# Altium PCB LaserControlBoard (extended).PcbDoc (part 1 of 4)
Units mm, origin at the board's own origin, x right, y up, seen from the top; angles counter-clockwise.
Board outline 192.5 x 156.5 mm, 2 copper layers (Top Layer, Bottom Layer); 385 components, 319 nets, 1286 pads, 1750 vias.
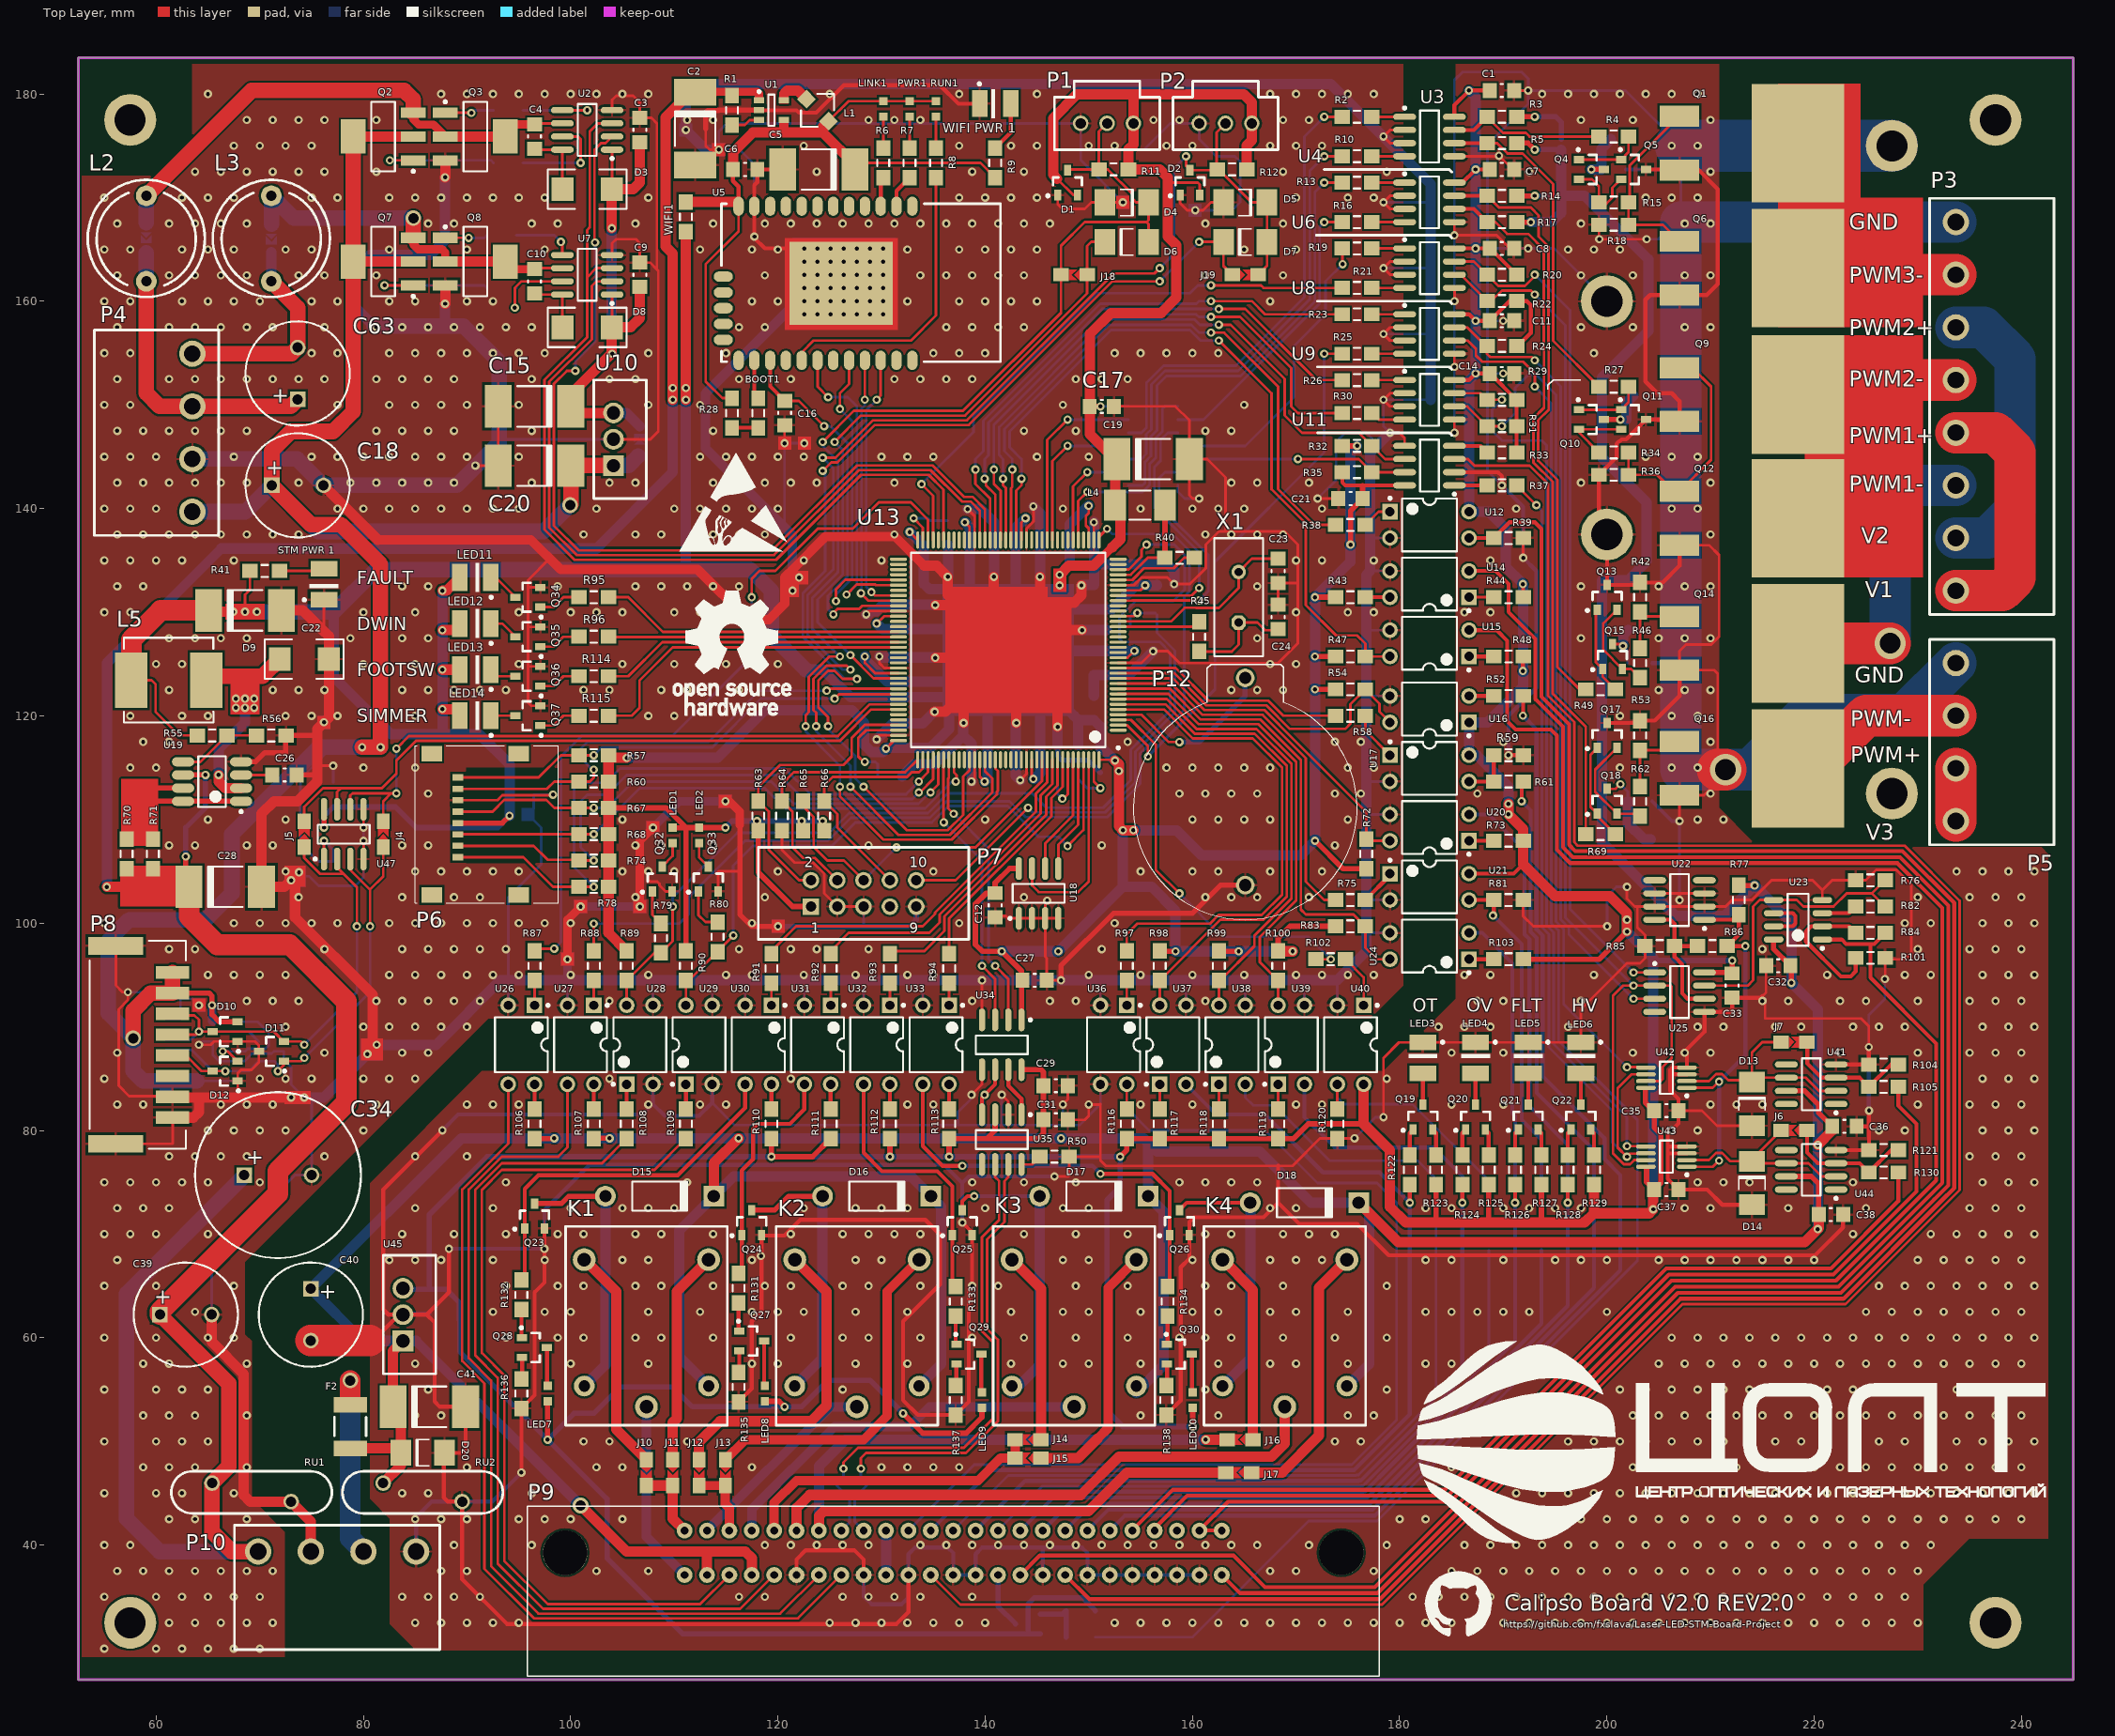
[diagram p0: Top Layer view]
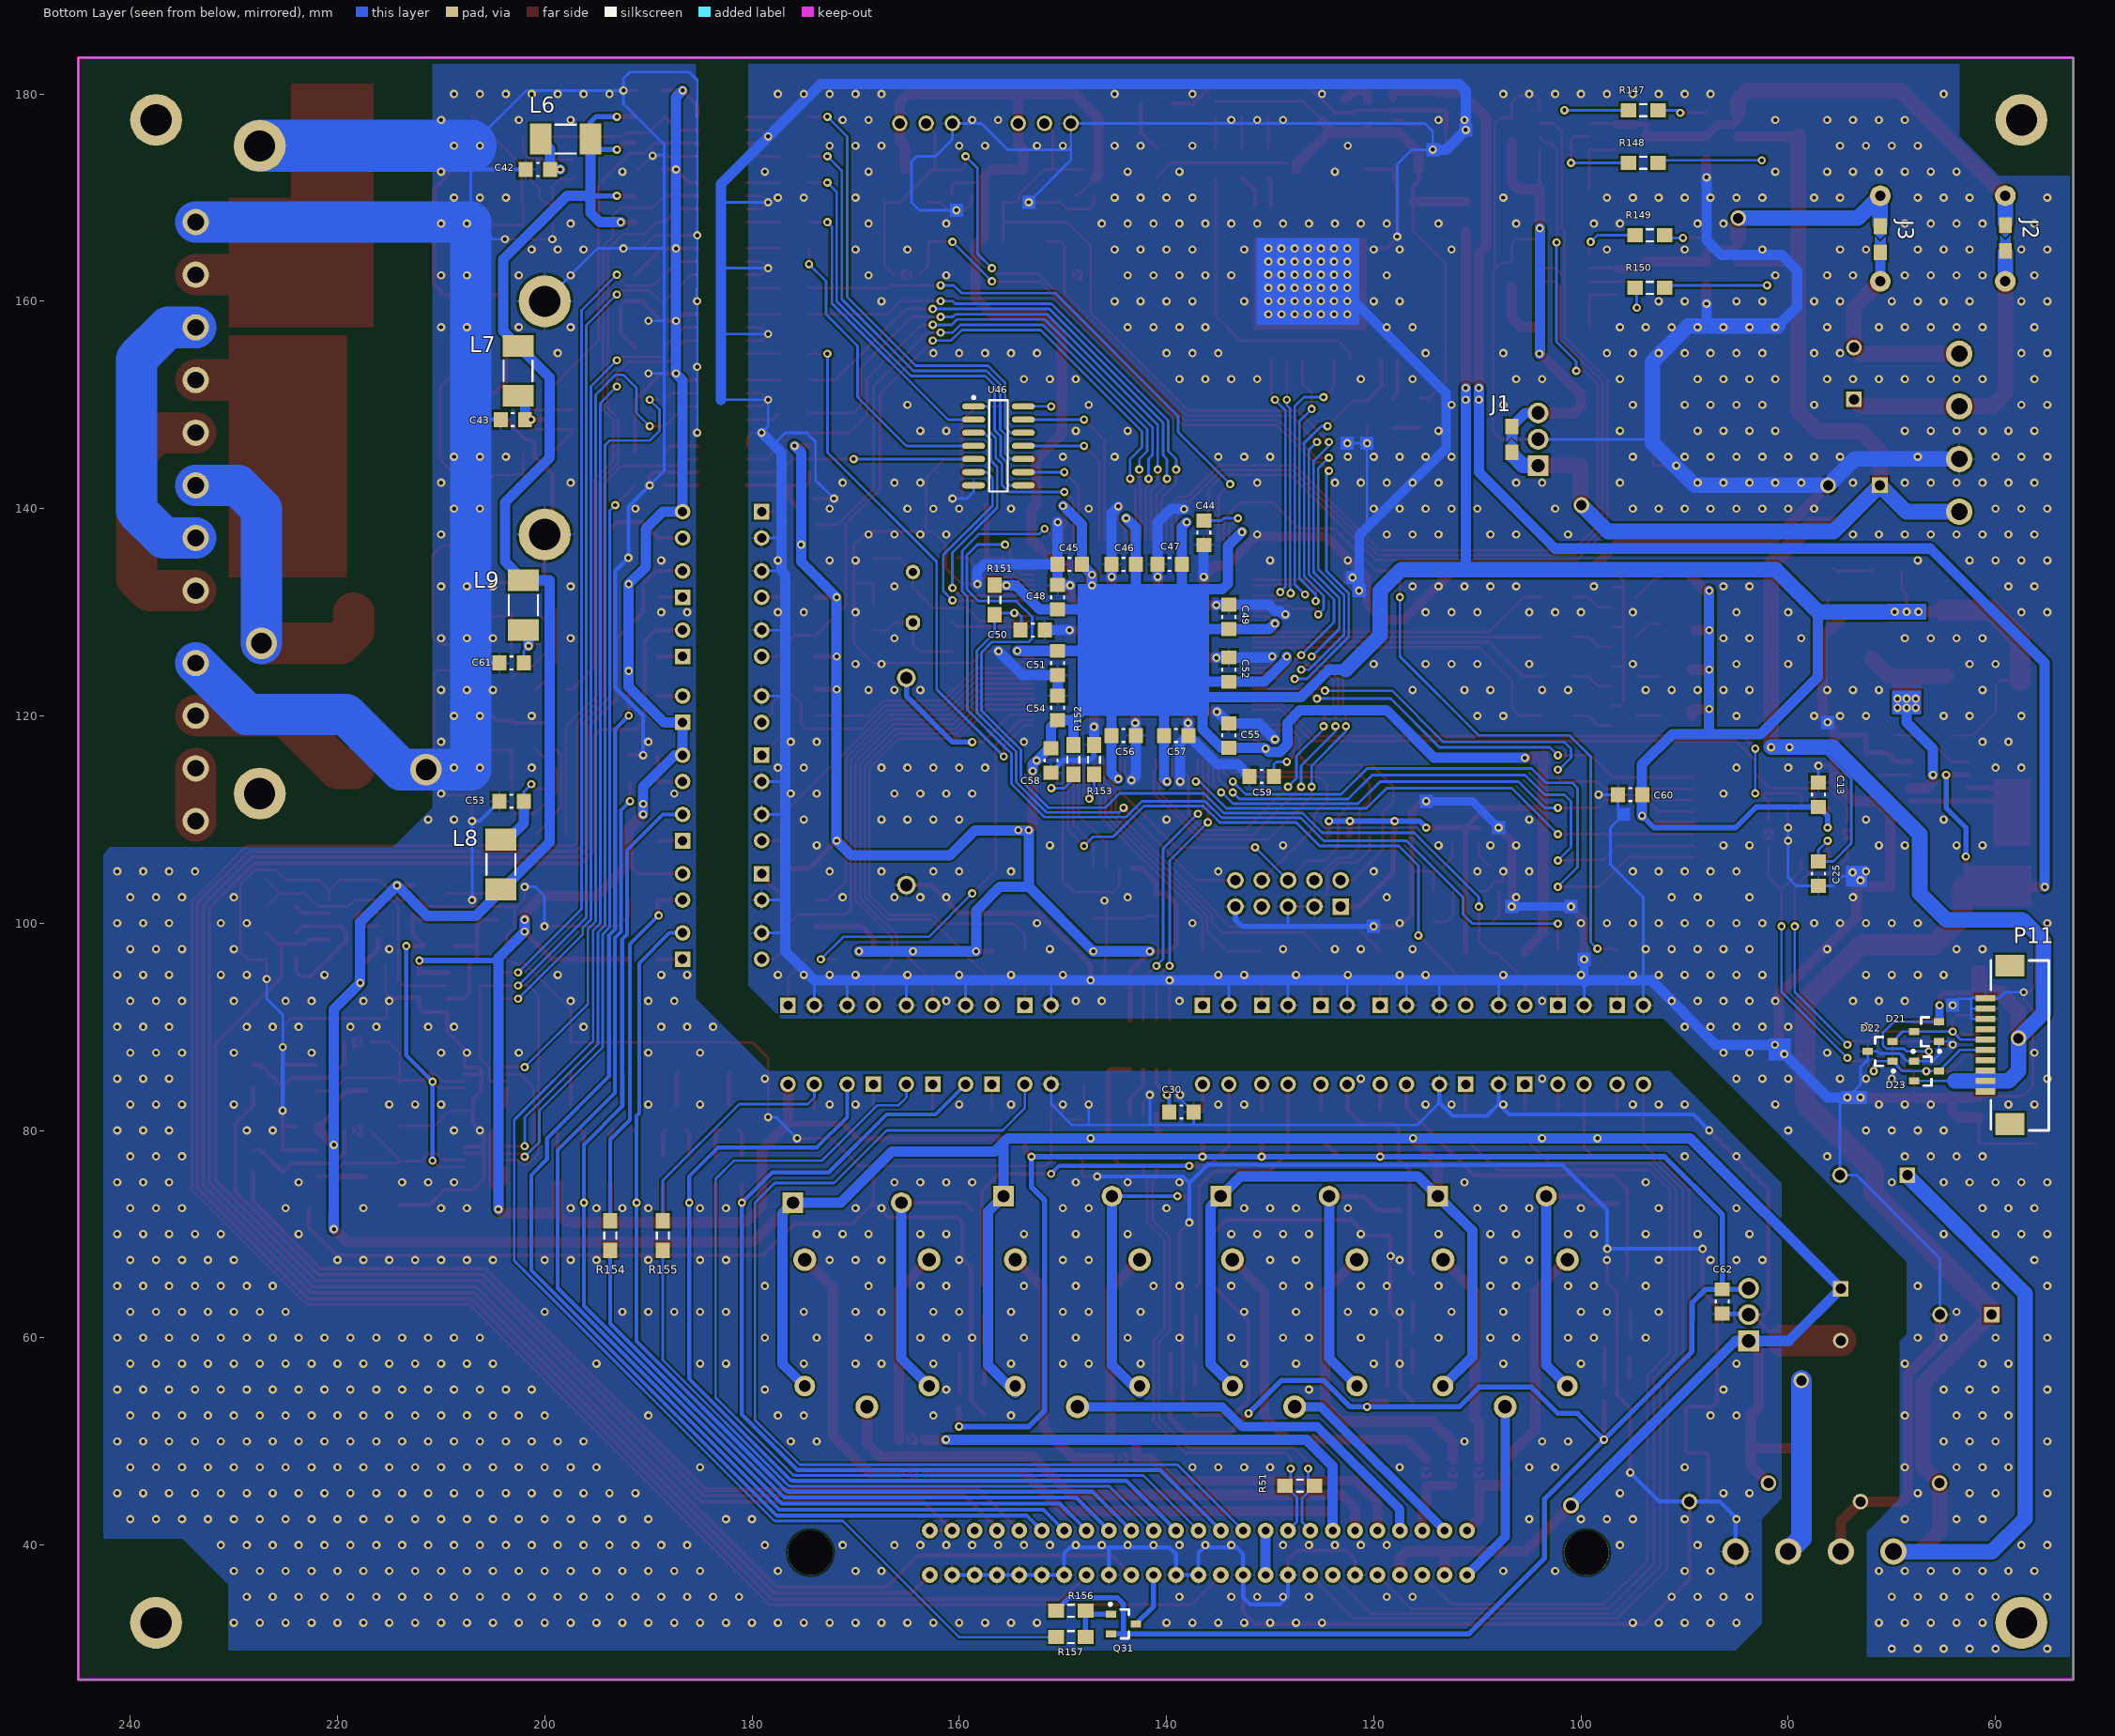
[diagram p1: Bottom Layer view, seen from below]
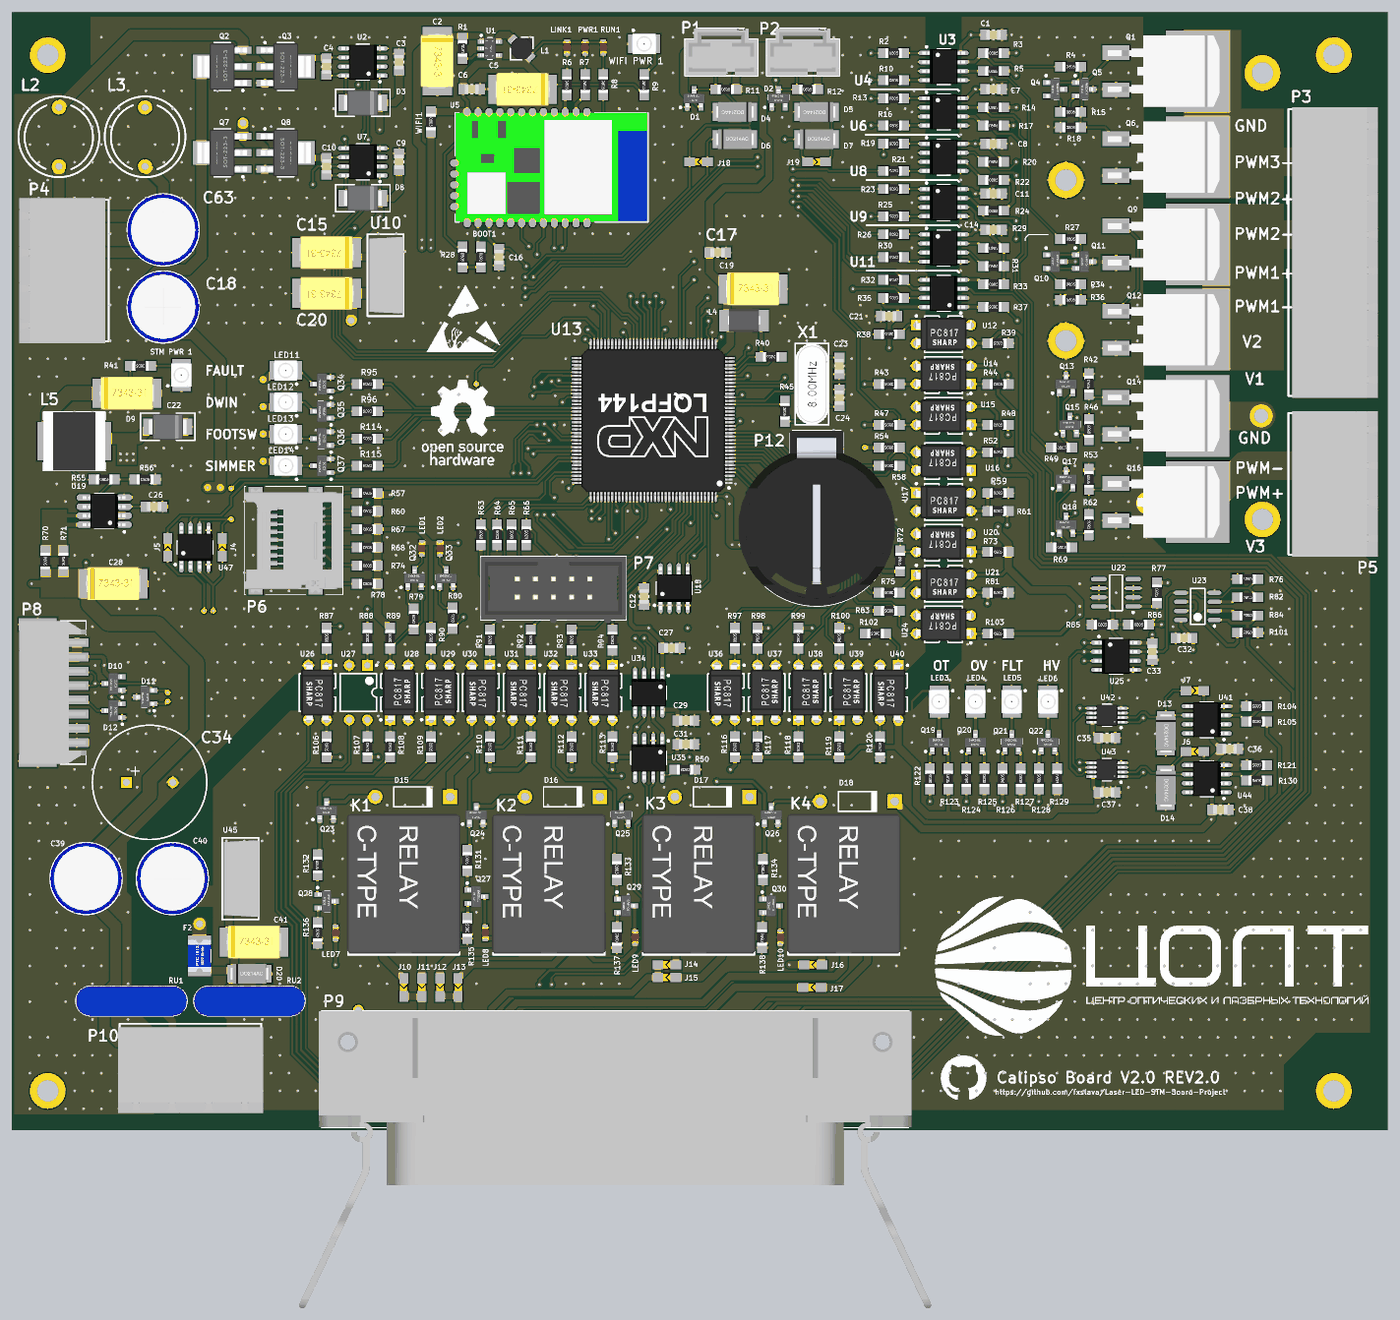
[diagram p5: 3D render of the assembled board from above, using the file's embedded part models]
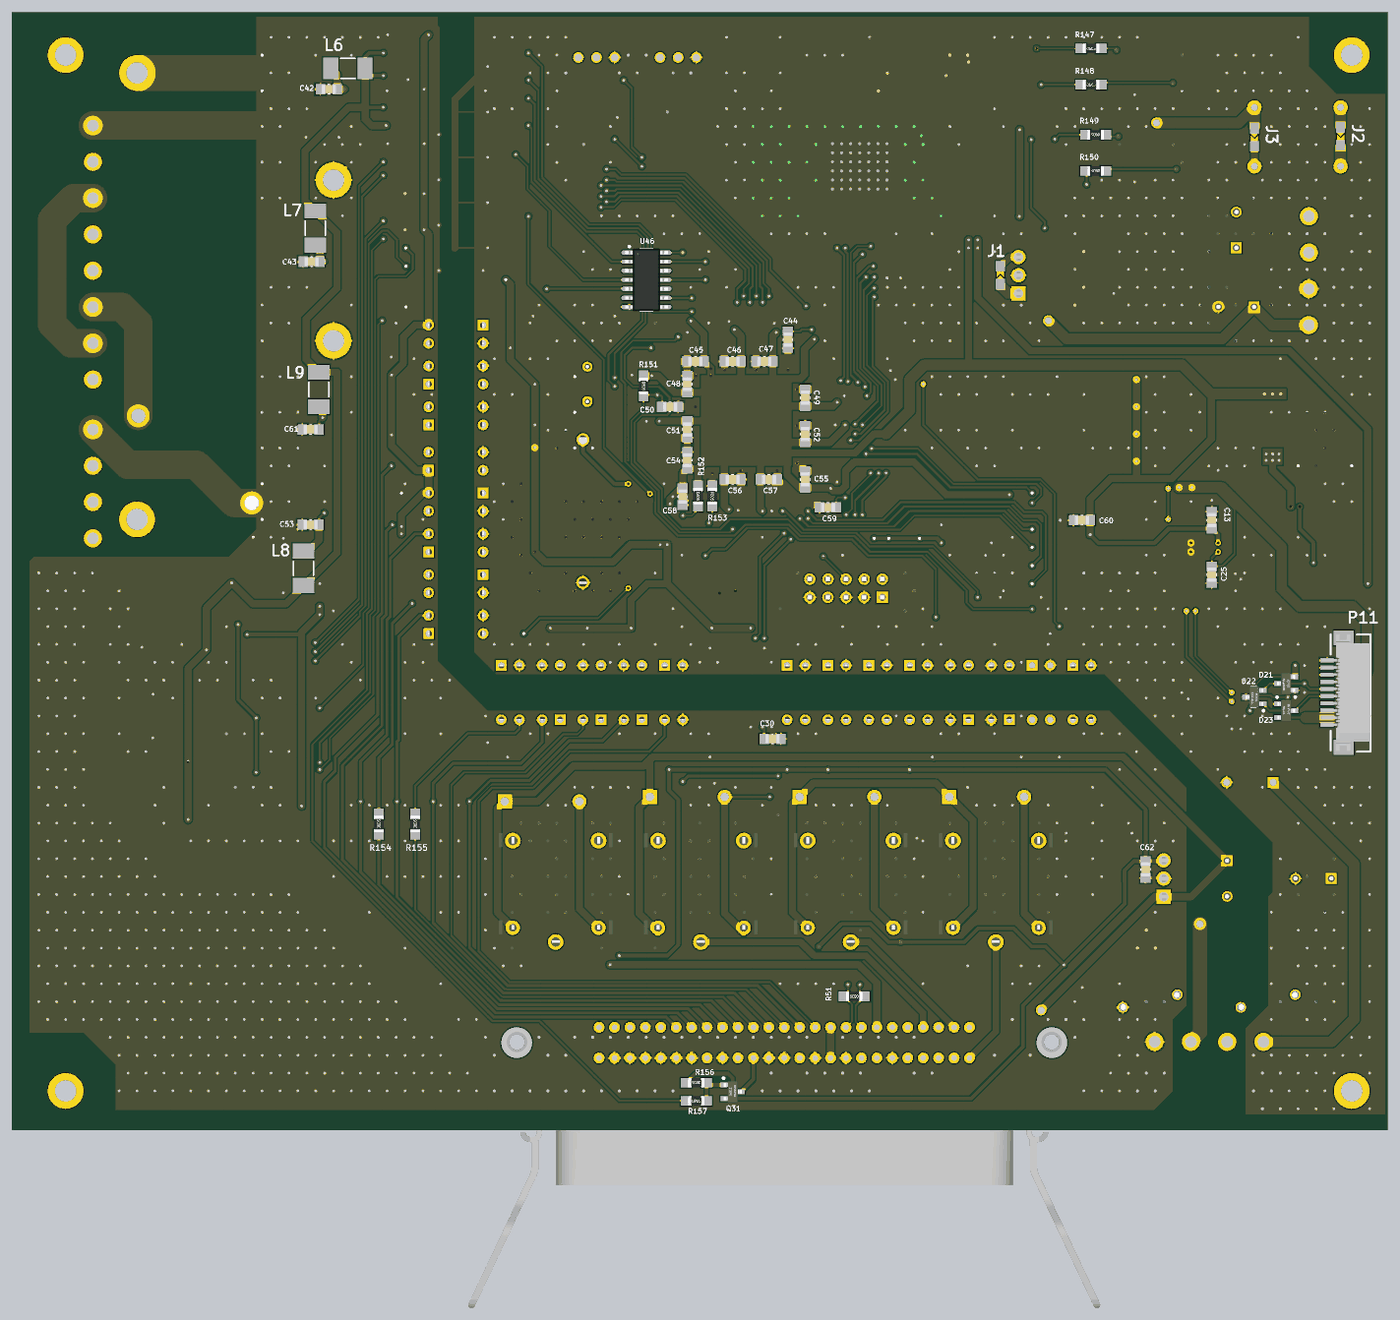
[diagram p6: 3D render of the assembled board from below, using the file's embedded part models]

## Layer stack, top to bottom
Top Solder: solder mask 0.0102, Solder Resist, Dk 3.5
Top Layer: signal copper 0.0356
Dielectric 1: dielectric 0.32, FR-4, Dk 4.8
Bottom Layer: signal copper 0.0356
Bottom Solder: solder mask 0.0102, Solder Resist, Dk 3.5

## Board outline
52.5,27 245,27 245,183.5 52.5,183.5

## Design rules (kind name [scope] priority, off if disabled: settings)
Clearance [All] p1: gap=0.2
DiffPairsRouting [All] p1: maxlimit=0.254 minlimit=0.254 mostfreqgap=0.254 toplayer_minwidth=0.254 toplayer_maxwidth=0.381 toplayer_prefwidth=0.381 bottomlayer_minwidth=0.254 bottomlayer_maxwidth=0.381 bottomlayer_prefwidth=0.381 maxuncoupledlength=12.7
HoleSize [All] p1: absolutevalues=TRUE maxlimit=8 minlimit=0.4 maxpercent=80.000 minpercent=20.000
MinimumSolderMaskSliver [All] p1: minsoldermaskwidth=0
PlaneConnect [InNet('GND')] p1: planeconnectstyle=Relief reliefexpansion=0.508 reliefentries=4 reliefconductorwidth=0.254 reliefairgap=0.254
PlaneConnect PlaneConnect_IGND [InPadClass('All Pads')] p2: planeconnectstyle=Relief reliefexpansion=0.508 reliefentries=4 reliefconductorwidth=0.254 reliefairgap=0.254
PolygonConnect PolygonConnect_IGND_Via [All vs IsVia] p1: connectstyle=Direct reliefconductorwidth=0.254 reliefentries=4 polygonreliefangle="90 Angle" airgapwidth=0.254
PolygonConnect PolygonConnect_IGND [InNet('IGND') vs InNet('IGND')] p2: connectstyle=Relief reliefconductorwidth=0.254 reliefentries=4 polygonreliefangle="90 Angle" airgapwidth=0.254
PolygonConnect [InNet('GND') vs InNet('GND')] p3: connectstyle=Relief reliefconductorwidth=0.254 reliefentries=4 polygonreliefangle="90 Angle" airgapwidth=0.254
RoomDefinition MCU [InComponentClass('MCU')] p1: confinementstyle=ConfineIn formatcopy=TRUE lockcomponents=FALSE outline 177.8,99.06 177.8,125.73 169.545,125.73 169.545,182.245 144.145,182.245 144.145,146.05 108.585,146.05 108.585,135.89 84.455,135.89 84.455,99.06 101.092,99.06 101.092,93.345 117.475,93.345 117.475,97.79 138.811,97.79 138.811,99.06
RoomDefinition LAMP [InComponentClass('LAMP')] p2: confinementstyle=ConfineIn formatcopy=TRUE lockcomponents=FALSE outline 201.93,66.675 201.93,94.615 195.58,94.615 195.58,123.825 169.545,123.825 169.545,99.06 149.479,99.06 149.479,76.835 151.765,76.835 178.435,76.835 178.435,66.675
RoomDefinition Peltier [InComponentClass('Peltier')] p3: confinementstyle=ConfineIn formatcopy=TRUE lockcomponents=FALSE outline 244.475,106.68 244.475,182.245 169.545,182.245 169.545,166.37 196.215,166.37 196.415,101.727 205.994,101.727 205.994,106.68
RoomDefinition LaserInterface [InComponentClass('LaserInterface')] p4: confinementstyle=ConfineIn formatcopy=TRUE lockcomponents=FALSE outline 244.475,106.68 196.215,106.68 196.215,166.37 169.545,166.37 169.545,123.825 195.58,123.825 195.58,94.615 201.93,94.615 201.93,66.675 244.475,66.675
RoomDefinition Audio [InComponentClass('Audio')] p5: confinementstyle=ConfineIn formatcopy=TRUE lockcomponents=FALSE outline 52.578,135.89 108.585,135.89 108.585,182.245 52.578,182.245
RoomDefinition Power [InComponentClass('Power')] p6: confinementstyle=ConfineIn formatcopy=TRUE lockcomponents=FALSE outline 52.705,28.575 91.44,28.575 91.44,42.545 93.98,42.545 93.98,48.26 91.44,48.26 91.44,99.06 83.185,99.06 83.185,135.89 52.705,135.89
RoomDefinition MISC [InComponentClass('MISC')] p7: confinementstyle=ConfineIn formatcopy=TRUE lockcomponents=FALSE outline 91.44,0 181.864,0 181.864,66.675 178.435,66.675 178.435,76.835 149.479,76.835 149.479,99.06 91.44,99.06
RoomDefinition WiFi [InComponentClass('WiFi')] p8: confinementstyle=ConfineIn formatcopy=TRUE lockcomponents=FALSE outline 108.585,182.245 108.585,146.05 144.145,146.05 144.145,182.245
RoutingVias [InNetClass('SignalNets')] p1: holewidth=0.5 width=0.9 viastyle="Through Hole" minholewidth=0.4 minwidth=0.8 maxholewidth=4 maxwidth=6
RoutingVias RoutingVias_PowerNets [InNetClass('AnalogPowerNets')] p2: holewidth=1 width=1.4 viastyle="Through Hole" minholewidth=0.5 minwidth=1 maxholewidth=1 maxwidth=1.4
RoutingVias RoutingVias_AnalogPowerNets [InNetClass('AnalogPowerNets')] p3: holewidth=0.5 width=0.9 viastyle="Through Hole" minholewidth=0.5 minwidth=1 maxholewidth=0.7 maxwidth=1.2
RoutingVias RoutingVias_All [All] p4: holewidth=0.4 width=0.8 viastyle="Through Hole" minholewidth=0.4 minwidth=0.8 maxholewidth=1 maxwidth=1.5
SolderMaskExpansion [All] p1: expansion=0.102
Width [InNetClass('SignalNets')] p1: maxlimit=0.254 minlimit=0.254 preferedwidth=0.254
Width Width_AnalogPowerNets [InNetClass('AnalogPowerNet')] p2: maxlimit=1.016 minlimit=0.128 preferedwidth=0.508
Width Width_PowerNets [InNetClass('PowerNet')] p3: maxlimit=2 minlimit=0.254 preferedwidth=1
Width Width_All [All] p4: maxlimit=5 minlimit=0.254 preferedwidth=0.254
26 further rules are at their usual default settings.

## Classes and differential pairs
net class PeltierForcePowerNet: NetP3_1 NetP3_2 NetP3_3 NetP3_5 NetP3_7 NetP5_1 NetP5_3
component class MCU: C12 C17 C19 C23 C24 C44 C45 C46 C47 C48 C49 C50 C51 C52 C54 C55 C56 C57 C58 C59 C60 D1 D2 D4 D5 D6 D7 J18 J19 L4 LED1 LED2 LED11 LED12 LED13 LED14 P1 P2 P6 P7 P12 Q32 Q33 Q34 Q35 Q36 Q37 R11 R12 R40 R45 R57 R60 R63 R64 R65 R66 R67 R68 R74 R78 R79 R80 R95 R96 R114 R115 R151 R152 R153 U13 U18 U46 X1
net class PowerNet: NetC44_2 NetC59_2 VCC
net class AnalogPowerNet: AVCCMCU
net class Undefined: 5V I5V NetC42_1 NetL1_2 WIFI3V3
component class LaserInterface: C8 C11 C14 C21 C32 C33 C35 C36 C37 C38 D13 D14 J6 J7 R19 R20 R21 R22 R23 R24 R25 R26 R29 R30 R31 R32 R33 R35 R37 R38 R39 R43 R44 R47 R48 R76 R77 R82 R84 R85 R86 R101 R104 R105 R121 R130 U6 U8 U9 U11 U12 U14 U15 U22 U23 U25 U41 U42 U43 U44
component class Peltier: C1 C7 C42 C43 C53 C61 L6 L7 L8 L9 P3 P5 Q1 Q4 Q5 Q6 Q9 Q10 Q11 Q12 Q13 Q14 Q15 Q16 Q17 Q18 R2 R3 R4 R5 R10 R13 R14 R15 R16 R17 R18 R27 R34 R36 R42 R46 R49 R53 R62 R69 U3 U4
component class WiFi: BOOT1 C2 C5 C6 C16 L1 LINK1 PWR1 R1 R6 R7 R8 R9 R28 RUN1 U1 U5 WIFI1 "WIFI PWR 1"
component class MISC: C27 C29 C30 C31 D15 D16 D17 D18 J10 J11 J12 J13 J14 J15 J16 J17 K1 K2 K3 K4 LED7 LED8 LED9 LED10 P9 Q23 Q24 Q25 Q26 Q27 Q28 Q29 Q30 Q31 R50 R51 R87 R88 R89 R90 R91 R92 R93 R94 R106 R107 R108 R109 R110 R111 R112 R113 R131 R132 R133 R134 R135 R136 R137 R138 R156 R157 U26 U27 U28 U29 U30 U31 U32 U33 U34 U35
component class LAMP: LED3 LED4 LED5 LED6 Q19 Q20 Q21 Q22 R52 R54 R58 R59 R61 R72 R73 R75 R81 R83 R97 R98 R99 R100 R102 R103 R116 R117 R118 R119 R120 R122 R123 R124 R125 R126 R127 R128 R129 R154 R155 U16 U17 U20 U21 U24 U36 U37 U38 U39 U40
component class Power: C13 C22 C25 C26 C28 C34 C39 C40 C41 C62 D9 D10 D11 D12 D20 D21 D22 D23 F2 J4 J5 L5 P8 P10 P11 R41 R55 R56 R70 R71 RU1 RU2 "STM PWR 1" U19 U45 U47
component class Audio: C3 C4 C9 C10 C15 C18 C20 C63 D3 D8 J1 J2 J3 L2 L3 P4 Q2 Q3 Q7 Q8 R147 R148 R149 R150 U2 U7 U10
differential pair CAN: +CAN_P -CAN_N

## Components (designator, comment, footprint, x,y, rotation, side; value= is the part's Value field where it differs from the comment)
BOOT1 "ChipRes" RES0805 118.11,149.225 r90 top locked
C1 "ChipCap" CAP0805 189.865,180.34 r180 top
C2 "Cap Pol SMD" CAPC7343 112.014,176.657 r270 top
C3 "ChipCap" CAP0805 106.68,176.53 r270 top
C4 "ChipCap" CAP0805 96.52,175.895 r90 top
C5 "Cap Pol SMD" CAPC7343 123.952,172.72 r180 top
C6 "ChipCap" CAP0805 116.84,172.72 r180 top
C7 "ChipCap" CAP0805 189.865,172.72 r180 top
C8 "ChipCap" CAP0805 189.865,165.1 r180 top
C9 "ChipCap" CAP0805 106.68,162.56 r270 top
C10 "ChipCap" CAP0805 96.52,161.925 r90 top
C11 "ChipCap" CAP0805 189.865,158.115 r180 top
C12 "ChipCap" CAP0805 140.97,101.727 r90 top
C13 "ChipCap" CAP0805 77.089,112.395 r270 bottom
C14 "ChipCap" CAP0805 189.865,153.035 r180 top
C15 "Cap Pol SMD" CAPC7343 96.52,149.86 r180 top
C16 "ChipCap" CAP0805 120.65,149.225 r90 top
C17 "ChipCap" CAP0805 151.257,149.86 r180 top
C18 "Cap Pol 100/47" CAPPR5-10x17_1 73.66,142.24 r0 top
C19 "Cap Pol SMD" CAPC7343 156.21,144.78 r0 top
C20 "Cap Pol SMD" CAPC7343 96.52,144.145 r180 top
C21 "ChipCap" CAP0805 175.26,140.97 r0 top
C22 "Cap Pol SMD" CAPC7343 68.58,130.175 r0 top
C23 "ChipCap" CAP0805 168.275,133.985 r90 top
C24 "ChipCap" CAP0805 168.275,129.54 r270 top
C25 "ChipCap" CAP0805 77.089,104.775 r90 bottom
C26 "ChipCap" CAP0805 72.39,114.3 r180 top
C27 "ChipCap" CAP0805 144.78,94.488 r0 top
C28 "Cap Pol SMD" CAPC7343 66.675,103.505 r0 top
C29 "ChipCap" CAP0805 146.812,84.328 r0 top
C30 "ChipCap" CAP0805 138.557,81.788 r180 bottom
C31 "ChipCap" CAP0805 146.812,81.026 r0 top
C32 "ChipCap" CAP0805 216.535,95.885 r180 top
C33 "ChipCap" CAP0805 212.09,93.98 r270 top
C34 "Cap Pol 200/100" CAPPR7.5-16x25_1 71.755,75.692 r0 top
C35 "ChipCap" CAP0805 205.74,81.915 r180 top
C36 "ChipCap" CAP0805 222.917,80.391 r180 top
C37 "ChipCap" CAP0805 205.74,74.295 r180 top
C38 "ChipCap" CAP0805 221.615,71.882 r180 top
C39 "Cap Pol 100/47" CAPPR5-10x17_1 62.865,62.23 r0 top
C40 "Cap Pol 100/47" CAPPR5-10x17_1 74.93,62.23 r270 top
C41 "Cap Pol SMD" CAPC7343 86.36,53.34 r0 top
C42 "ChipCap" CAP0805 200.66,172.72 r0 bottom
C43 "ChipCap" CAP0805 203.073,148.59 r0 bottom
C44 "ChipCap" CAP0805 136.398,137.668 r90 bottom
C45 "ChipCap" CAP0805 149.352,134.62 r0 bottom
C46 "ChipCap" CAP0805 144.145,134.62 r0 bottom
C47 "ChipCap" CAP0805 139.7,134.62 r0 bottom
C48 "ChipCap" CAP0805 150.495,131.445 r90 bottom
C49 "ChipCap" CAP0805 133.985,129.54 r90 bottom
C50 "ChipCap" CAP0805 152.908,128.27 r180 bottom
C51 "ChipCap" CAP0805 150.495,125.095 r270 bottom
C52 "ChipCap" CAP0805 133.985,124.46 r270 bottom
C53 "ChipCap" CAP0805 203.2,111.76 r0 bottom
C54 "ChipCap" CAP0805 150.495,120.777 r90 bottom
C55 "ChipCap" CAP0805 133.985,118.11 r90 bottom
C56 "ChipCap" CAP0805 144.145,118.11 r180 bottom
C57 "ChipCap" CAP0805 139.065,118.11 r180 bottom
C58 "ChipCap" CAP0805 151.13,115.697 r270 bottom
C59 "ChipCap" CAP0805 130.81,114.173 r180 bottom
C60 "ChipCap" CAP0805 95.25,112.395 r0 bottom
C61 "ChipCap" CAP0805 203.2,125.095 r0 bottom
C62 "ChipCap" CAP0805 86.36,63.5 r90 bottom
C63 "Cap Pol 100/47" CAPPR5-10x17_1 73.66,153.035 r90 top
D1 "Diode Schottky" SOT23 147.955,171.45 r90 top
D2 "Diode Schottky" SOT23 159.766,171.45 r90 top
D3 "Diode chip" SMB1 101.6,170.815 r180 top